# Altium PCB PCB2.PcbDoc
Units mil, origin at the board's own origin, x right, y up, seen from the top; angles counter-clockwise.
Board outline 4415.03 x 2215.03 mil, 2 copper layers (Top Layer, Bottom Layer); 8 components, 12 nets, 56 pads, 0 vias.
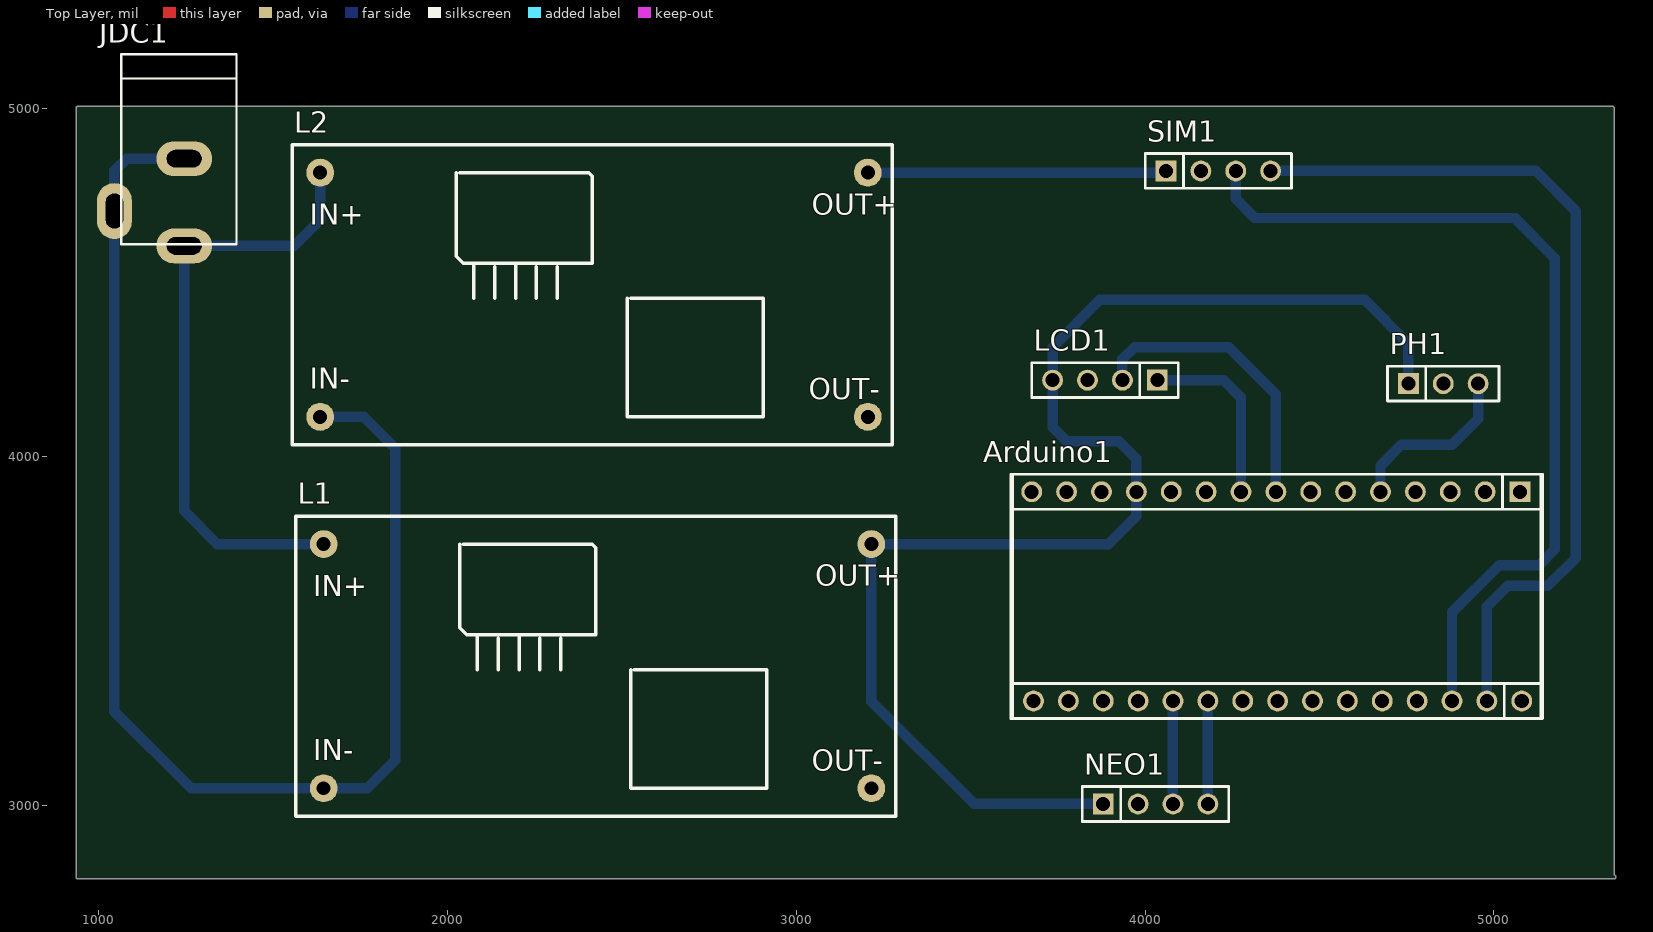
[diagram p0: Top Layer view]
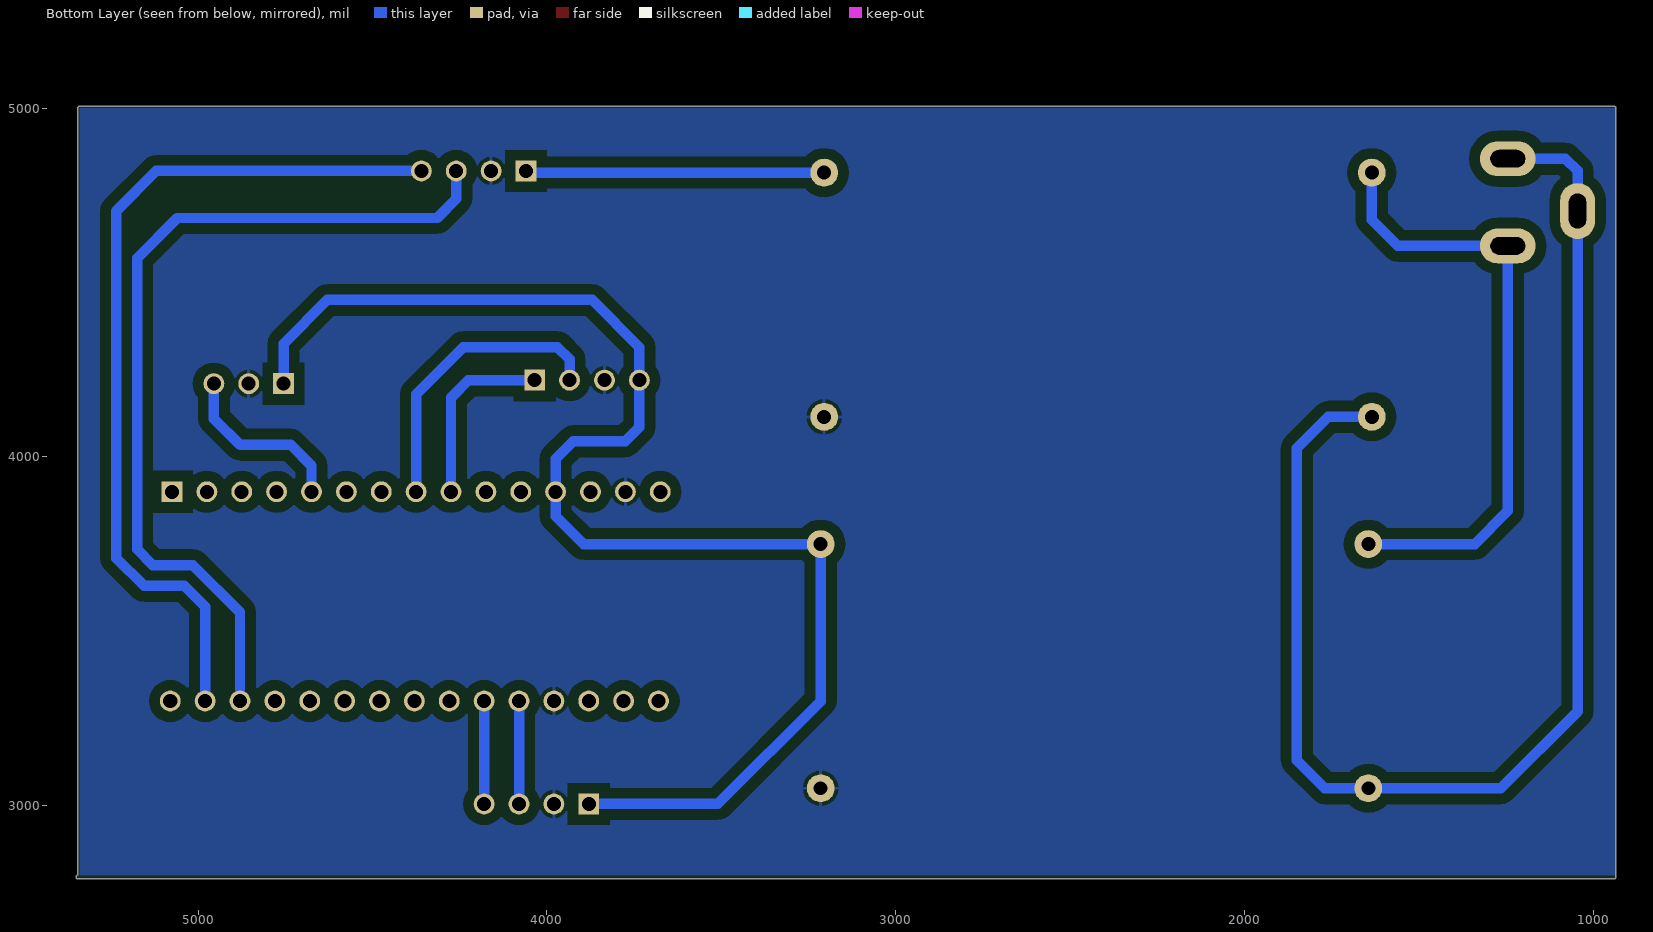
[diagram p1: Bottom Layer view, seen from below]

## Layer stack, top to bottom
Top Solder: solder mask 0.4, Solder Resist, Dk 3.5
Top Layer: signal copper 1.4
Dielectric 1: dielectric 12.6, FR-4, Dk 4.8
Bottom Layer: signal copper 1.4
Bottom Solder: solder mask 0.4, Solder Resist, Dk 3.5

## Board outline
940,2789.99 cw(c940,2795) 934.99,2795 934.99,5000 cw(c940,5000) 940,5005.02 5340,5005.02 cw(c5340,5000) 5345.02,5000 5345.02,2802.08 5348.55,2798.55 5348.53,2798.56 cw(c5345,2795) 5350.02,2795 cw(c5345,2795) 5345,2789.99

## Design rules (kind name [scope] priority, off if disabled: settings)
Clearance [All] p1: gap=30
PolygonConnect [All] p1: connectstyle=Relief reliefconductorwidth=10 reliefentries=4 polygonreliefangle="90 Angle" airgapwidth=10
RoutingVias [All] p1: holewidth=28 width=50 viastyle="Through Hole" minholewidth=28 minwidth=50 maxholewidth=28 maxwidth=50
SolderMaskExpansion [All] p1: expansion=4
Width [All] p1: maxlimit=30 minlimit=10 preferedwidth=20
30 further rules are at their usual default settings.

## Components (designator, comment, footprint, x,y, rotation, side; value= is the part's Value field where it differs from the comment)
Arduino1 "Arduino Nano" "Arduino Nano" 4370,3630 r90 top
JDC1 "Jac DC" DC0 1145,4730 r270 top
L1 "BUCK_LM2596" BUCK_LM2596 2415,3430 r0 top
L2 "BUCK_LM2596" BUCK_LM2596 2405,4495 r0 top
LCD1 "JP4" JP4-C1T 4035,4220 r180 top
NEO1 "JP4" JP4-C1T 3880,3005 r0 top
PH1 "JP3" JP3-C1T 4755,4210 r0 top
SIM1 "JP4" JP4-C1T 4060,4820 r0 top

## Footprints (in the part's own frame and the unit in brackets; to place one, negate y for a bottom-side part, rotate by r counter-clockwise, add the part's x,y. Pads: shape width x height; smd on the part's side, far side on the other; paste and mask are expansions set on the pad)
"Arduino Nano" [mm]
  round 1.52 hole 1.02: 3V3(6.858,-15.367) 5V(6.858,10.033) A0(6.858,-10.287) A1(6.858,-7.747) A2(6.858,-5.207) A3(6.858,-2.667) A4(6.858,-0.127) A5(6.858,2.413) A6(6.858,4.953) A7(6.858,7.493) D2(-8.382,7.366) D3(-8.382,4.826) D4(-8.382,2.286) D5(-8.382,-0.254) D6(-8.382,-2.794) D7(-8.382,-5.334) D8(-8.382,-7.874) D9(-8.382,-10.414) D10(-8.382,-12.954) D11(-8.382,-15.494) D12(-8.382,-18.034) GND(-8.382,9.906) GND(6.858,15.113) REF(6.858,-12.827) RST(-8.382,12.446) RST(6.858,12.573) RX0(-8.382,14.986) TX1(-8.382,17.526) VIN(6.858,17.653)
  rect 1.52x1.52 hole 1.02: D13(6.858,-17.907)
  silkscreen extent -9.65,-19.55 8.13,19.18, body extent -9.65,-23.48 8.14,21.44, height 21.18
BUCK_LM2596 [mil]
  round 80 hole 40: 1(-770,320) 2(-770,-380) 3(800,-380) 4(800,320)
  silkscreen extent -850,-460 870,400
DC0 [mil] "Jac DC input"
  oval 100x160 hole 50 slot 100 at 90 deg: 1(125,100) 2(-125,100)
  oval 160x100 hole 50 slot 100 at 0 deg: 3(25,-100)
  silkscreen extent -425,-80 120,250, body extent -410,-105 134,269, height 434
JP3-C1T [mm] "3 row, straight, gold plating"
  rect 1.52x1.52 hole 1.02: 1(0,0)
  round 1.52 hole 1.02: 2(2.54,0) 3(5.08,0)
  silkscreen extent -1.52,-1.27 6.6,1.27, body extent -1.52,-1.25 6.6,1.25, height 8.51
JP4-C1T [mm] "4 row, straight, gold plating"
  rect 1.52x1.52 hole 1.02: 1(0,0)
  round 1.52 hole 1.02: 2(2.54,0) 3(5.08,0) 4(7.62,0)
  silkscreen extent -1.52,-1.27 9.14,1.27, body extent -1.52,-1.25 9.14,1.25, height 8.51

## Part data
Arduino1: "Arduino NANO"
JDC1: library part DCIN, "Jac DC input"
LCD1 NEO1 PH1 SIM1: "WR-PHD 2.54 mm Angled Socket Header"

## Nets (pads, with @x,y where several pads share a name; then routed paths per layer and width w, separated by ;. In a path a pad name is that pad's centre, name@x,y a point inside that pad or via, vN(x,y) a via of type N, cw(c..) or ccw(c..) an arc to the next point about the centre after c; other vN are vias at no path point)
GND: Arduino1.GND L1.3 L2.3 LCD1.3 NEO1.2 PH1.2 SIM1.2
NetJDC1_1: JDC1.1 L1.1 L2.1 | length 1755.4
  Bottom Layer w30: L2.1 1635,4680 1560,4605 JDC1.1 1245,3845 1340,3750 L1.1
NetJDC1_2: JDC1.2 JDC1.3 L1.2 L2.2 | length 3841
  Bottom Layer w30: JDC1.2 1080,4855 1045,4820 JDC1.3 1045,3270 1265,3050 L1.2 1770,3050 1850,3130 1850,4025 1760,4115 L2.2
PH: Arduino1.A1 PH1.3 | length 510.9
  Bottom Layer w30: Arduino1.A1 4675,3975 4735,4035 4880,4035 4955,4110 PH1.3
RX_NEO: Arduino1.D3 NEO1.4 | length 295
  Bottom Layer w30: NEO1.4 Arduino1.D3
RX_SIM: Arduino1.D11 SIM1.4 | length 2500.6
  Bottom Layer w30: SIM1.4 5120,4820 5235,4705 5235,3710 5155,3630 5040,3630 4980,3570 Arduino1.D11
SCL: Arduino1.A5 LCD1.1 | length 530.7
  Bottom Layer w30: LCD1.1 4225,4220 4275,4170 Arduino1.A5
SDA: Arduino1.A4 LCD1.2 | length 850.4
  Bottom Layer w30: LCD1.2 3935,4280 3970,4315 4240,4315 4375,4180 Arduino1.A4
TX_NEO: Arduino1.D2 NEO1.3 | length 295
  Bottom Layer w30: NEO1.3 Arduino1.D2
TX_SIM: Arduino1.D10 SIM1.3 | length 2525
  Bottom Layer w30: SIM1.3 4260,4740 4315,4685 5060,4685 5175,4570 5175,3734.85 5130.15,3690 5015.15,3690 4880,3554.85 Arduino1.D10
VCC: Arduino1.5V L1.4 LCD1.4 NEO1.1 PH1.1 | length 3945.3
  Bottom Layer w30: NEO1.1 3510,3005 3215,3300 L1.4 3895,3750 3975,3830 Arduino1.5V 3975,3995 3925,4045 3775,4045 3735,4085 LCD1.4 3735,4315 3870,4450 4630,4450 4755,4325 PH1.1
VCC_SIM: L2.4 SIM1.1 | length 850
  Bottom Layer w30: L2.4 SIM1.1@4055,4815
pads on no net: Arduino1.3V3 Arduino1.A0 Arduino1.A2 Arduino1.A3 Arduino1.A6 Arduino1.A7 Arduino1.D4 Arduino1.D5 Arduino1.D6 Arduino1.D7 Arduino1.D8 Arduino1.D9 Arduino1.D12 Arduino1.D13 Arduino1.REF Arduino1.RST Arduino1.RX0 Arduino1.TX1 Arduino1.VIN

## Polygon pours and split planes (outlines as drawn)
GND on Bottom Layer "Bottom Layer-No Net" (solid, remove dead copper, pour order 4): 940,5000 935,4995 935,2800 5345,2800 5340,2805 5340,5000

## Silkscreen, mask and mechanical layers (free items; w line width, h text height)
Mechanical 1:
  lines w10: 940,2820 940,2795 ; 940,2795 5345,2795 5340,2800 5340,4875 5340,5000 940,5000 940,2795

## Text inside footprints (layer, text, board x,y; h text height)
L1: Top Overlay "IN+" at 1615,3600 h60; Top Overlay "IN-" at 1615,3130 h60; Top Overlay "OUT+" at 3055,3630 h60; Top Overlay "OUT-" at 3045,3100 h60
L2: Top Overlay "IN+" at 1605,4665 h60; Top Overlay "IN-" at 1605,4195 h60; Top Overlay "OUT+" at 3045,4695 h60; Top Overlay "OUT-" at 3035,4165 h60